# Altium PCB FMC_ADC_250M_16B_4ch.PcbDoc (part 3 of 8)
Units mm, origin at the board's own origin, x right, y up, seen from the top; angles counter-clockwise.
Board outline 76.75 x 69 mm, 8 copper layers (Top Layer, GND(SMAGND), L3, GND, L5, GND (Plane2), Power, Bottom Layer), stack 2.323 mm thick; 401 components, 423 nets, 2219 pads, 1334 vias.
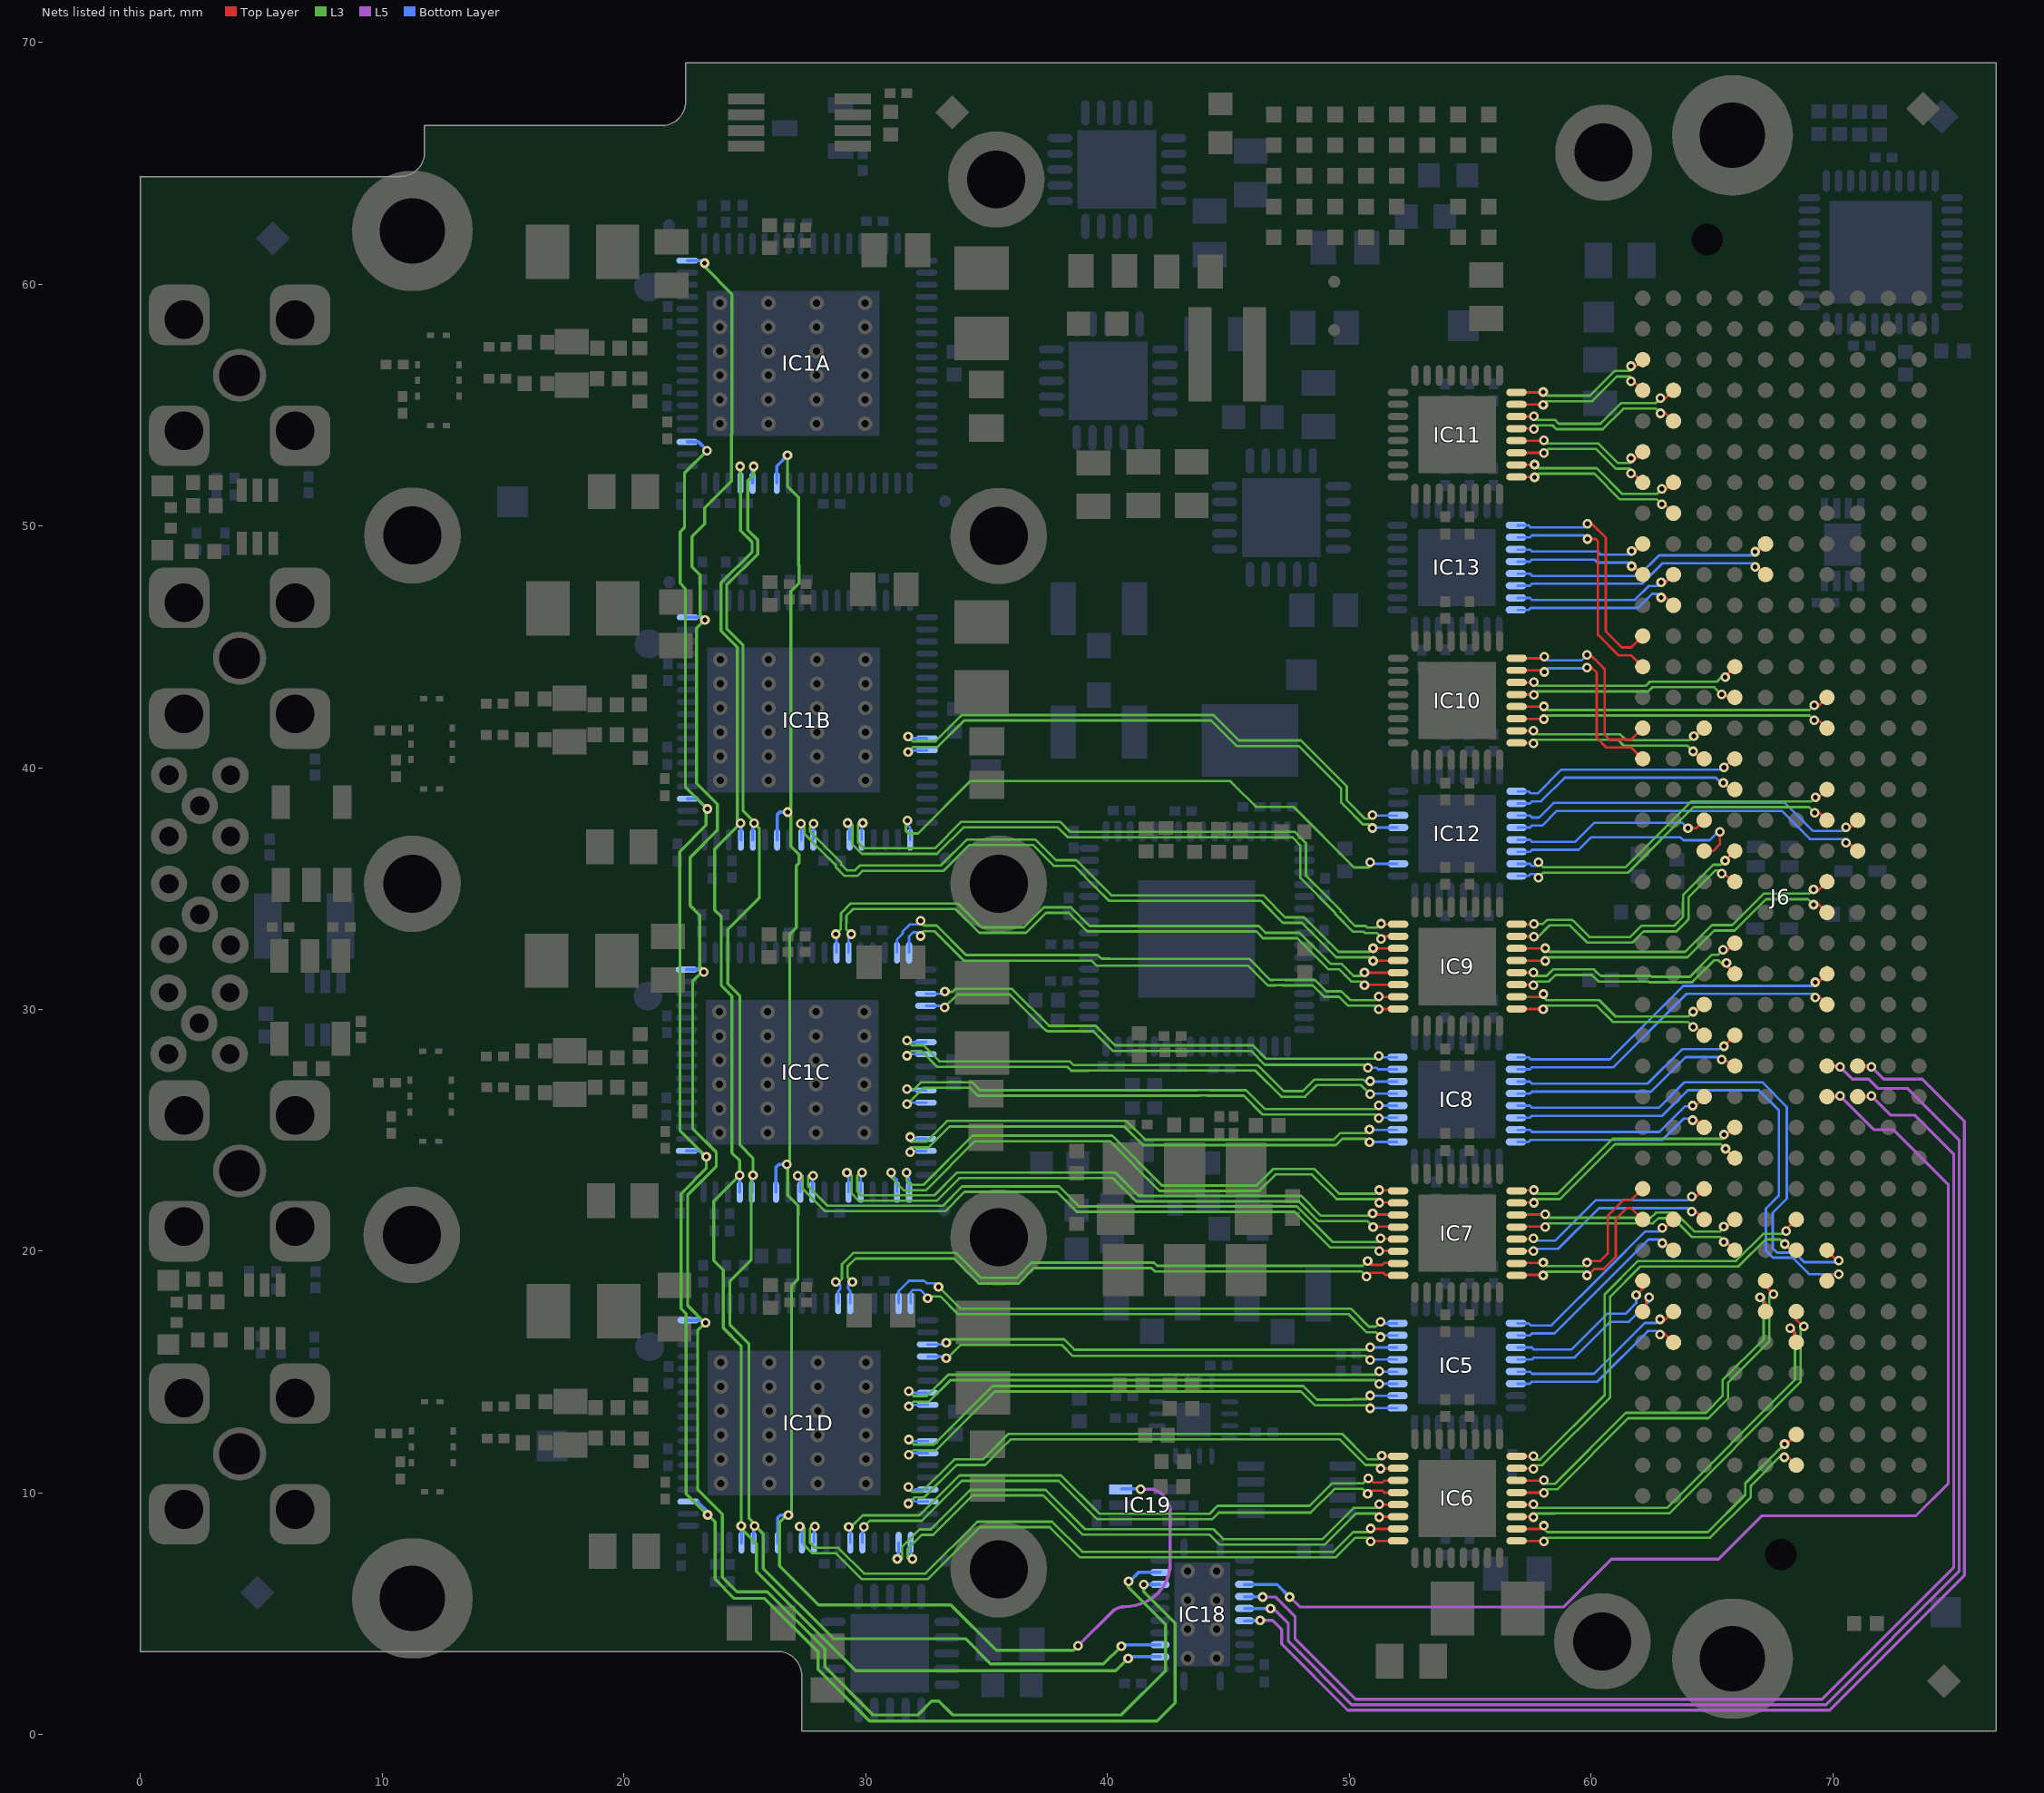
[diagram p9: the nets of this part, all layers, seen from the top]

## Via types
v1: diameter 0.4, hole 0.2, Top Layer to Bottom Layer, tented both sides, 961 vias
v2: diameter 0.5, hole 0.2, Top Layer to Bottom Layer, tented both sides, 314 vias
v3: diameter 0.4, hole 0.2, Top Layer to Bottom Layer, 33 vias
v4: diameter 0.5, hole 0.25, Top Layer to Bottom Layer, tented both sides, 19 vias
v5: diameter 0.6, hole 0.3, Top Layer to Bottom Layer, tented both sides, 7 vias

## Nets (pads, with @x,y where several pads share a name; then routed paths per layer and width w, separated by ;. In a path a pad name is that pad's centre, name@x,y a point inside that pad or via, vN(x,y) a via of type N, cw(c..) or ccw(c..) an arc to the next point about the centre after c; other vN are vias at no path point) (continued)
ADC_BUF_DATA0.D0_N: IC6.26 J6.e3 | length 13.8
  Top Layer w0.102: IC6.26@56.971,8.521 58.04,8.521 58.054,8.534 v1(58.054,8.652) ; v1@68.093,11.971 68.093,12.026 J6.e3@68.491,12.425
  L3 w0.102: v1(58.054,8.652) 58.054,8.534 58.203,8.385 64.836,8.385 66.385,9.933 66.385,10.402 67.843,11.86 67.896,11.86 68.006,11.971 v1@68.093,11.971
  other v1: 68.006,12.025
ADC_BUF_DATA0.D0_P: IC6.25 J6.e2 | length 13.5
  Top Layer w0.102: IC6.25@56.971,8.021 58.04,8.021 v1(58.054,8.007) ; v1@68.067,11.438 68.067,11.449 68.133,11.514 J6.e2@68.491,11.155
  L3 w0.102: v1(58.054,8.007) 58.203,8.156 64.931,8.156 66.613,9.839 66.613,10.308 67.896,11.59 67.915,11.59 v1@68.067,11.438
  other v1: 67.999,11.482
ADC_BUF_DATA0.D2_N: IC6.29 J6.f8 | length 16.2
  Top Layer w0.102: IC6.29@56.971,10.021 58.04,10.021 v1(58.054,10.007) ; J6.f8@67.221,18.775 67.221,18.56 v1(67.553,18.228)
  L5 w0.102: v1@67.477,18.152 v1(67.553,18.228)
  L3 w0.102: v1(58.054,10.007) 58.203,10.156 58.606,10.156 61.542,13.093 64.85,13.093 64.879,13.122 65.674,13.917 65.674,14.57 67.375,16.272 67.375,18.101 67.426,18.101 v1(67.553,18.228)
ADC_BUF_DATA0.D2_P: IC6.30 J6.f7 | length 15.7
  Top Layer w0.102: IC6.30@56.971,10.521 58.04,10.521 v1(58.054,10.534) ; v1(66.994,18.101) 67.221,17.874 J6.f7@67.221,17.505
  L3 w0.102: v1(58.054,10.534) 58.203,10.385 58.511,10.385 61.448,13.322 64.755,13.322 65.445,14.011 65.445,14.665 67.147,16.367 67.147,18.101 v1(66.994,18.101)
ADC_BUF_DATA0.D4_N: IC6.27 J6.e7 | length 17.1
  Top Layer w0.102: IC6.27@56.971,9.021 57.608,9.021 v1(57.622,9.007) ; J6.e7@68.491,17.505 68.491,17.16 68.753,16.899 v1(68.804,16.899)
  L3 w0.102: v1(57.622,9.007) 57.771,9.156 58.504,9.156 58.508,9.16 63.235,9.16 68.671,14.596 68.671,16.765 v1(68.804,16.899)
ADC_BUF_DATA0.D4_P: IC6.28 J6.e6 | length 16.7
  Top Layer w0.102: IC6.28@56.971,9.521 57.608,9.521 v1(57.622,9.534) ; v1(68.245,16.822) 68.321,16.822 68.401,16.743 68.401,16.326 J6.e6@68.491,16.235
  L3 w0.102: v1(57.622,9.534) 57.771,9.385 58.409,9.385 58.413,9.389 63.141,9.389 68.442,14.69 68.442,16.625 v1(68.245,16.822)
ADC_BUF_DATA0.D6_N: IC6.32 J6.e10 | length 18.2
  Top Layer w0.102: IC6.32@56.971,11.521 57.608,11.521 v1(57.622,11.534) ; v1(68.067,20.836) 68.067,20.891 J6.e10@68.491,21.315
  L3 w0.102: v1(57.622,11.534) 57.771,11.385 57.901,11.385 60.568,14.052 60.568,18.221 61.947,19.599 66.004,19.599 67.121,20.717 67.949,20.717 v1(68.067,20.836)
ADC_BUF_DATA0.D6_P: IC6.31 J6.e9 | length 18.1
  Top Layer w0.102: IC6.31@56.971,11.021 57.608,11.021 v1(57.622,11.007) ; v1(68.017,20.302) 68.274,20.045 J6.e9@68.491,20.045
  L3 w0.102: v1(57.622,11.007) 57.771,11.156 57.996,11.156 60.797,13.957 60.797,18.126 62.041,19.371 66.099,19.371 67.216,20.488 67.83,20.488 v1(68.017,20.302)
ADC_BUF_DATA0.D8_N: IC5.29 J6.j7 | length 7.6
  Top Layer w0.102: v1(62.854,17.184) 62.929,17.11 63.016,17.11 J6.j7@63.411,17.505
  Bottom Layer w0.102: IC5.29@56.971,15.021 57.475,15.021 57.56,14.936 60.126,14.936 62.225,17.035 62.705,17.035 v1(62.854,17.184)
ADC_BUF_DATA0.D8_P: IC5.30 J6.j6 | length 7.6
  Top Layer w0.102: v1(62.854,16.556) 62.926,16.627 63.019,16.627 J6.j6@63.411,16.235
  Bottom Layer w0.102: IC5.30@56.971,14.521 57.475,14.521 57.56,14.605 60.262,14.605 62.362,16.705 62.705,16.705 v1(62.854,16.556)
ADC_BUF_DATA0.D10_N: IC5.27 J6.k8 | length 6.8
  Top Layer w0.102: v1(61.87,18.194) 61.895,18.194 62.141,18.44 J6.k8@62.141,18.775
  Bottom Layer w0.102: IC5.27@56.971,16.021 57.556,16.021 57.641,15.936 59.19,15.936 60.67,17.415 61.432,17.415 61.87,17.853 v1(61.87,18.194)
ADC_BUF_DATA0.D10_P: IC5.28 J6.k7 | length 7.3
  Top Layer w0.102: J6.k7@62.141,17.505 62.273,17.637 62.273,18.038 62.327,18.092 v1(62.403,18.092)
  Bottom Layer w0.102: IC5.28@56.971,15.521 57.556,15.521 57.641,15.605 59.327,15.605 60.807,17.085 61.569,17.085 62.403,17.919 v1(62.403,18.092)
ADC_BUF_DATA0.D12_N: IC5.25 J6.j10 | length 8.3
  Top Layer w0.102: v1(62.956,20.968) 63.004,20.92 63.016,20.92 J6.j10@63.411,21.315
  Bottom Layer w0.102: IC5.25@56.971,17.021 57.424,17.021 57.509,16.936 58.362,16.936 60.644,19.218 62.245,20.819 62.807,20.819 v1(62.956,20.968)
ADC_BUF_DATA0.D12_P: IC5.26 J6.j9 | length 8.4
  Top Layer w0.102: v1(62.956,20.339) 62.956,20.374 63.019,20.437 J6.j9@63.411,20.045
  Bottom Layer w0.102: IC5.26@56.971,16.521 57.475,16.521 57.56,16.605 58.498,16.605 62.381,20.488 62.807,20.488 v1(62.956,20.339)
ADC_BUF_DATA0.D14_N: IC7.26 J6.k11 | length 7.3
  Top Layer w0.102: IC7.26@56.971,19.521 58.015,19.521 v1(58.028,19.534) ; v1@59.984,19.599 60.39,19.599 60.695,19.904 60.695,21.464 61.346,22.115 61.672,22.115 J6.k11@62.141,22.585
  L3 w0.102: v1(58.028,19.534) 58.177,19.385 59.682,19.385 v1(59.832,19.534)
ADC_BUF_DATA0.D14_P: IC7.25 J6.k10 | length 7.5
  Top Layer w0.102: IC7.25@56.971,19.021 58.015,19.021 v1(58.028,19.007) ; v1@59.882,19.015 60.136,19.269 60.527,19.269 61.025,19.767 61.025,21.328 61.483,21.785 61.672,21.785 J6.k10@62.141,21.315
  L3 w0.102: v1(58.028,19.007) 58.177,19.156 59.682,19.156 v1(59.832,19.007)
ADC_BUF_DATA1.CLKOUT_N: IC8.29 J6.d9 | length 21.7
  Top Layer w0.102: J6.d9@69.761,20.045 70.176,19.631 v1@70.176,19.616
  Bottom Layer w0.102: IC8.29@56.971,26.021 57.475,26.021 57.56,25.936 62.815,25.936 63.871,26.991 67.08,26.991 68.103,25.968 68.103,22.178 67.517,21.592 67.517,20.121 67.697,19.941 68.431,19.941 68.823,19.549 70.184,19.549 v1(70.252,19.616)
ADC_BUF_DATA1.CLKOUT_P: IC8.30 J6.d8 | length 21.7
  Top Layer w0.102: J6.d8@69.842,18.775 J6.d8@69.761,18.775 70.044,19.058 v1(70.252,19.058)
  Bottom Layer w0.102: IC8.30@56.971,25.521 57.475,25.521 57.56,25.605 62.952,25.605 64.007,26.661 66.944,26.661 67.773,25.831 67.773,22.305 67.237,21.769 67.237,20.029 67.529,19.737 68.339,19.737 69.019,19.058 v1(70.252,19.058)
ADC_BUF_DATA1.D0_N: IC7.28 J6.h11 | length 8.7
  Top Layer w0.102: IC7.28@56.971,20.521 57.608,20.521 v1(57.622,20.534) ; v1(64.175,22.264) 64.25,22.19 64.286,22.19 J6.h11@64.681,22.585
  Bottom Layer w0.102: v1@57.673,20.539 57.774,20.438 58.519,20.438 60.196,22.115 64.026,22.115 v1(64.175,22.264)
ADC_BUF_DATA1.D0_P: IC7.27 J6.h10 | length 8.7
  Top Layer w0.102: IC7.27@56.971,20.021 57.608,20.021 v1(57.622,20.007) ; v1(64.175,21.636) 64.247,21.707 64.289,21.707 J6.h10@64.681,21.315
  Bottom Layer w0.102: v1@57.596,20.107 58.656,20.107 60.333,21.785 64.026,21.785 v1(64.175,21.636)
ADC_BUF_DATA1.D2_N: IC7.30 J6.g10 | length 9.8
  Top Layer w0.102: IC7.30@56.971,21.521 58.091,21.521 v1(58.104,21.534) ; v1(65.496,21.019) 65.496,20.98 65.556,20.92 J6.g10@65.951,21.315
  L3 w0.102: v1(58.104,21.534) 58.254,21.385 62.481,21.385 62.676,21.581 ; 62.694,21.6 63.496,21.6 64.277,20.819 65.343,20.819 65.496,20.971 v1(65.496,21.019)
ADC_BUF_DATA1.D2_P: IC7.29 J6.g9 | length 9.8
  Top Layer w0.102: IC7.29@56.971,21.021 58.091,21.021 v1(58.104,21.007) ; v1(65.496,20.39) 65.543,20.437 65.559,20.437 J6.g9@65.951,20.045
  L3 w0.102: v1(58.104,21.007) 58.254,21.156 62.574,21.156 62.789,21.371 63.401,21.371 64.182,20.59 65.343,20.59 65.496,20.438 v1(65.496,20.39)
ADC_BUF_DATA1.D4_N: IC7.32 J6.g13 | length 10.2
  Top Layer w0.102: IC7.32@56.971,22.521 57.634,22.521 v1(57.647,22.534) ; v1@65.609,24.804 65.931,25.125 J6.g13@65.951,25.125
  L3 w0.102: v1(57.647,22.534) 57.796,22.385 58.629,22.385 60.898,24.654 65.46,24.654 v1@65.609,24.804
  other v1: 65.506,24.825
ADC_BUF_DATA1.D4_P: IC7.31 J6.g12 | length 10.2
  Top Layer w0.102: IC7.31@56.971,22.021 57.634,22.021 v1(57.647,22.007) ; v1(65.567,24.239) J6.g12@65.951,23.855
  L3 w0.102: v1(57.647,22.007) 57.796,22.156 58.724,22.156 60.993,24.425 65.381,24.425 v1(65.567,24.239)
ADC_BUF_DATA1.D6_N: IC8.31 J6.h14 | length 8.4
  Top Layer w0.102: v1@64.308,25.992 64.681,26.365 J6.h14@64.681,26.395
  Bottom Layer w0.102: IC8.31@56.971,25.021 57.475,25.021 57.56,24.936 62.831,24.936 63.887,25.992 v1@64.308,25.992
  other v1: 64.206,26.025
ADC_BUF_DATA1.D6_P: IC8.32 J6.h13 | length 8.3
  Top Layer w0.102: v1@64.308,25.458 64.348,25.458 J6.h13@64.681,25.125
  Bottom Layer w0.102: IC8.32@56.971,24.521 57.424,24.521 57.509,24.605 62.968,24.605 63.85,25.487 64.279,25.487 v1@64.308,25.458
  other v1: 64.206,25.425
ADC_BUF_DATA1.D8_N: IC8.27 J6.g16 | length 9.6
  Top Layer w0.102: v1(65.502,28.481) 65.502,28.486 J6.g16@65.951,28.935
  Bottom Layer w0.102: IC8.27@56.971,27.021 57.475,27.021 57.56,26.936 62.352,26.936 63.778,28.362 65.318,28.362
ADC_BUF_DATA1.D8_P: IC8.28 J6.g15 | length 9.5
  Top Layer w0.102: v1@65.527,27.948 65.81,27.665 J6.g15@65.951,27.665
  Bottom Layer w0.102: IC8.28@56.971,26.521 57.475,26.521 57.56,26.605 62.489,26.605 63.915,28.032 v1@65.318,28.032
  other v1: 65.406,27.925
ADC_BUF_DATA1.D10_N: IC8.25 J6.d18 | length 14.3
  Top Layer w0.102: v1(69.28,31.128) 69.328,31.08 69.366,31.08 J6.d18@69.761,31.475
  Bottom Layer w0.102: IC8.25@56.971,28.021 57.424,28.021 57.509,27.936 60.776,27.936 63.819,30.979 69.131,30.979 v1(69.28,31.128)
ADC_BUF_DATA1.D10_P: IC8.26 J6.d17 | length 14.4
  Top Layer w0.102: v1(69.28,30.499) 69.28,30.508 69.369,30.597 J6.d17@69.761,30.205
  Bottom Layer w0.102: IC8.26@56.971,27.521 57.475,27.521 57.56,27.605 60.913,27.605 63.956,30.648 69.131,30.648 v1(69.28,30.499)
ADC_BUF_DATA1.D12_N: IC9.26 J6.h17 | length 8.6
  Top Layer w0.102: IC9.26@56.971,30.521 58.015,30.521 58.032,30.537 v1(58.032,30.636) ; v1(64.226,29.909) 64.226,29.87 64.286,29.81 J6.h17@64.681,30.205
  L3 w0.102: v1(58.032,30.636) 58.032,30.537 58.028,30.534 58.177,30.385 60.342,30.385 61.019,29.709 64.026,29.709 v1(64.226,29.909)
ADC_BUF_DATA1.D12_P: IC9.25 J6.h16 | length 8.3
  Top Layer w0.102: IC9.25@56.971,30.021 58.015,30.021 v1(58.028,30.007) ; v1(64.226,29.28) 64.273,29.327 64.289,29.327 J6.h16@64.681,28.935
  L3 w0.102: v1(58.028,30.007) 58.177,30.156 60.248,30.156 60.924,29.48 64.026,29.48 v1(64.226,29.28)
ADC_BUF_DATA1.D14_N: IC9.28 J6.g19 | length 9.7
  Top Layer w0.102: IC9.28@56.971,31.521 57.608,31.521 v1(57.622,31.534) ; v1(65.47,32.465) 65.47,32.436 65.502,32.404 65.611,32.404 J6.g19@65.951,32.745
  L3 w0.102: 57.771,31.385 58.166,31.385 58.373,31.591 58.44,31.658 60.133,31.658 60.359,31.432 60.406,31.385 62.473,31.385 62.474,31.387 62.507,31.354 64.095,31.354 65.006,32.265 65.27,32.265 v1(65.47,32.465)
ADC_BUF_DATA1.D14_P: IC9.27 J6.g18 | length 10
  Top Layer w0.102: IC9.27@56.971,31.021 57.608,31.021 v1(57.622,31.007) ; v1@65.47,31.836 v1@65.501,31.867 ; v1(65.606,31.925) 65.559,31.925 v1@65.501,31.867 ; J6.g18@65.951,31.475 65.559,31.867 v1@65.501,31.867
  L3 w0.102: 57.771,31.156 58.261,31.156 58.534,31.43 60.038,31.43 60.312,31.156 62.381,31.156 62.413,31.125 64.19,31.125 64.221,31.156 65.101,32.036 65.27,32.036 65.47,31.836 65.559,31.925 v1(65.606,31.925)
ADC_BUF_DATA2.CLKOUT_N: IC12.27 J6.c23 | length 15.2
  Top Layer w0.102: v1(70.55,37.529) 70.55,37.516 70.636,37.43 J6.c23@71.031,37.825
  Bottom Layer w0.102: IC12.27@56.971,38.021 57.475,38.021 57.56,37.936 57.85,37.936 58.457,38.543 68.025,38.543 68.122,38.446 69.189,37.379 70.525,37.379 70.55,37.405 v1(70.55,37.529)
ADC_BUF_DATA2.CLKOUT_P: IC12.28 J6.c22 | length 15.1
  Top Layer w0.102: v1(70.55,36.9) 70.598,36.947 70.639,36.947 J6.c22@71.031,36.555
  Bottom Layer w0.102: IC12.28@56.971,37.521 57.475,37.521 57.56,37.605 57.987,37.605 58.594,38.213 67.888,38.213 69.052,37.049 70.525,37.049 70.55,37.024 v1(70.55,36.9)
ADC_BUF_DATA2.D0_N: IC9.30 J6.d21 | length 13.9
  Top Layer w0.102: IC9.30@56.971,32.521 58.091,32.521 v1(58.104,32.534) ; v1(69.21,34.963) 69.309,34.864 69.341,34.864 J6.d21@69.761,35.285
  L3 w0.102: 58.254,32.385 63.898,32.385 65.006,33.493 65.851,33.493 67.147,34.789 69.036,34.789 v1(69.21,34.963)
ADC_BUF_DATA2.D0_P: IC9.29 J6.d20 | length 13.9
  Top Layer w0.102: IC9.29@56.971,32.021 58.091,32.021 v1(58.104,32.007) ; v1(69.21,34.336) 69.307,34.433 69.344,34.433 J6.d20@69.761,34.015
  L3 w0.102: 58.254,32.156 63.993,32.156 65.101,33.265 65.946,33.265 67.242,34.56 68.987,34.56 v1(69.21,34.336)
ADC_BUF_DATA2.D2_N: IC9.32 J6.g22 | length 11.4
  Top Layer w0.102: IC9.32@56.971,33.521 57.634,33.521 v1(57.647,33.534) ; v1(65.548,36.152) J6.g22@65.951,36.555
  L3 w0.102: v1(57.647,33.534) 58.015,33.534 58.119,33.637 58.186,33.704 59.233,33.704 59.3,33.637 59.94,32.996 61.624,32.996 62.084,33.457 63.438,33.457 63.806,33.825 63.806,34.442 63.81,34.446 63.81,34.728 65.064,35.982 65.379,35.982 v1(65.548,36.152)
ADC_BUF_DATA2.D2_P: IC9.31 J6.g21 | length 11.4
  Top Layer w0.102: IC9.31@56.971,33.021 57.634,33.021 v1(57.647,33.007) ; v1@65.553,35.593 65.861,35.285 J6.g21@65.951,35.285
  L3 w0.102: v1(57.647,33.007) 57.812,33.007 58.28,33.476 59.138,33.476 59.846,32.768 61.718,32.768 62.179,33.228 63.533,33.228 63.968,33.663 64.035,33.73 64.035,34.348 64.038,34.351 64.038,34.634 65.159,35.754 v1@65.401,35.754 ; v1@65.397,35.749 v1@65.553,35.593
  other v1: 65.406,35.625
ADC_BUF_DATA2.D4_N: IC12.31 J6.d24 | length 14.2
  Top Layer w0.102: v1@69.384,38.717 J6.d24@69.761,39.095
  L3 w0.102: v1(57.825,36.085) 58.025,35.885 61.436,35.885 64.15,38.599 69.117,38.599 v1(69.287,38.768)
  Bottom Layer w0.102: IC12.31@56.971,36.021 57.475,36.021 57.56,35.936 57.698,35.936 57.825,36.063 v1(57.825,36.085)
ADC_BUF_DATA2.D4_P: IC12.32 J6.d23 | length 14.3
  Top Layer w0.102: v1(69.261,38.133) 69.453,38.133 J6.d23@69.761,37.825
  L3 w0.102: v1(57.825,35.456) 58.025,35.656 61.531,35.656 64.244,38.37 69.024,38.37 v1(69.261,38.133)
  Bottom Layer w0.102: IC12.32@56.971,35.521 57.424,35.521 57.509,35.605 57.698,35.605 57.825,35.478 v1(57.825,35.456)
ADC_BUF_DATA2.D6_N: IC12.29 J6.h23 | length 8.3
  Top Layer w0.102: v1(64.011,37.492) 64.348,37.492 J6.h23@64.681,37.825 J6.h23@64.681,37.82
  Bottom Layer w0.102: IC12.29@56.971,37.021 57.475,37.021 57.56,36.936 59.35,36.936 60.139,37.725 63.767,37.725 v1@64.011,37.481
ADC_BUF_DATA2.D6_P: IC12.30 J6.h22 | length 10.2
  Top Layer w0.102: J6.h22@64.515,36.555 J6.h22@64.681,36.555 65.056,36.555 65.332,36.832 v1(65.332,37.34)
  Bottom Layer w0.102: IC12.30@56.971,36.521 57.475,36.521 57.56,36.605 59.487,36.605 60.007,37.125 63.7,37.125 63.825,37 64.913,37 65.253,37.34 v1(65.332,37.34)
ADC_BUF_DATA2.D8_N: IC12.25 J6.g25 | length 9.6
  Top Layer w0.102: v1(65.502,40.013) 65.854,40.365 J6.g25@65.951,40.365
  Bottom Layer w0.102: IC12.25@56.971,39.021 57.424,39.021 57.509,38.936 57.8,38.936 58.783,39.919 65.409,39.919 v1(65.502,40.013)
ADC_BUF_DATA2.D8_P: IC12.26 J6.g24 | length 9.6
  Top Layer w0.102: v1(65.477,39.378) 65.759,39.095 J6.g24@65.951,39.095
  Bottom Layer w0.102: IC12.26@56.971,38.521 57.475,38.521 57.56,38.605 57.936,38.605 58.92,39.589 65.166,39.589 65.377,39.378 v1(65.477,39.378)
ADC_BUF_DATA2.D10_N: IC10.26 J6.h26 | length 8.2
  Top Layer w0.102: IC10.26@56.971,41.521 57.608,41.521 v1(57.622,41.534) ; v1(64.257,41.308) 64.354,41.308 J6.h26@64.681,41.635 J6.h26@64.681,41.57
  L3 w0.102: v1(57.622,41.534) 57.771,41.385 61.204,41.385 61.45,41.139 64.088,41.139 v1(64.257,41.308)
ADC_BUF_DATA2.D10_P: IC10.25 J6.h25 | length 8.1
  Top Layer w0.102: IC10.25@56.971,41.021 57.608,41.021 v1(57.622,41.007) ; v1(64.232,40.673) 64.54,40.365 J6.h25@64.681,40.365
  L3 w0.102: v1(57.622,41.007) 57.771,41.156 61.109,41.156 61.356,40.91 63.995,40.91 v1(64.232,40.673)
ADC_BUF_DATA2.D12_N: IC10.30 J6.g28 | length 9.3
  Top Layer w0.102: IC10.30@56.971,43.521 57.634,43.521 v1(57.647,43.534) ; v1(65.553,43.746) 65.553,43.776 J6.g28@65.951,44.175 J6.g28@65.931,44.175
  L3 w0.102: v1(57.647,43.534) 57.796,43.385 62.273,43.385 62.445,43.557 65.217,43.557 v1@65.406,43.746
ADC_BUF_DATA2.D12_P: IC10.29 J6.g27 | length 9.2
  Top Layer w0.102: IC10.29@56.971,43.021 57.634,43.021 v1(57.647,43.007) ; v1@65.502,43.086 65.683,42.905 J6.g27@65.951,42.905
  L3 w0.102: v1(57.647,43.007) 57.796,43.156 62.367,43.156 62.539,43.328 65.103,43.328 v1(65.406,43.025)
ADC_BUF_DATA2.D14_N: IC10.28 J6.d27 | length 13.2
  Top Layer w0.102: IC10.28@56.971,42.521 58.04,42.521 v1(58.054,42.534) ; v1(69.236,42.583) 69.335,42.484 69.341,42.484 J6.d27@69.761,42.905
  L3 w0.102: v1(58.054,42.534) 58.203,42.385 69.037,42.385 v1(69.236,42.583)
ADC_BUF_DATA2.D14_P: IC10.27 J6.d26 | length 13.2
  Top Layer w0.102: IC10.27@56.971,42.021 58.04,42.021 v1(58.054,42.007) ; v1(69.236,41.956) 69.332,42.053 69.344,42.053 J6.d26@69.761,41.635
  L3 w0.102: v1(58.054,42.007) 58.203,42.156 69.036,42.156 v1(69.236,41.956)
ADC_BUF_DATA3.CLKOUT_N: IC13.25 J6.k29 | length 9.8
  Top Layer w0.102: v1(59.857,50.085) 60.039,50.085 60.619,49.505 60.619,45.635 61.279,44.975 61.672,44.975 J6.k29@62.141,45.445
  Bottom Layer w0.102: IC13.25@56.971,50.021 57.424,50.021 57.509,49.936 59.708,49.936 v1(59.857,50.085)
ADC_BUF_DATA3.CLKOUT_P: IC13.26 J6.k28 | length 9.7
  Top Layer w0.102: v1(59.857,49.456) 60.201,49.456 60.289,49.368 60.289,45.499 61.143,44.645 61.672,44.645 J6.k28@62.141,44.175
  Bottom Layer w0.102: IC13.26@56.971,49.521 57.475,49.521 57.56,49.605 59.708,49.605 v1(59.857,49.456)
ADC_BUF_DATA3.D0_N: IC10.32 J6.k26 | length 8.6
  Top Layer w0.102: IC10.32@56.971,44.521 58.015,44.521 v1(58.079,44.585) ; v1(59.832,44.663) 59.983,44.663 60.345,44.301 60.345,44.293 60.568,44.069 60.568,41.368 60.771,41.165 61.672,41.165 J6.k26@62.141,41.635
  Bottom Layer w0.102: v1(58.079,44.585) 58.228,44.436 59.604,44.436 v1(59.832,44.663)
ADC_BUF_DATA3.D0_P: IC10.31 J6.k25 | length 8.4
  Top Layer w0.102: IC10.31@56.971,44.021 58.015,44.021 v1(58.079,43.956) ; v1(59.832,44.136) 60.035,44.136 60.238,43.933 60.238,41.231 60.635,40.835 61.672,40.835 J6.k25@62.141,40.365
  Bottom Layer w0.102: v1(58.079,43.956) 58.228,44.105 59.801,44.105 v1(59.832,44.136)
ADC_BUF_DATA3.D2_N: IC13.31 J6.j31 | length 7
  Top Layer w0.102: v1(62.905,47.664) 62.98,47.59 63.016,47.59 J6.j31@63.411,47.985
  Bottom Layer w0.102: IC13.31@56.971,47.021 57.475,47.021 57.56,46.936 61.813,46.936 62.392,47.515 62.756,47.515 v1(62.905,47.664)
ADC_BUF_DATA3.D2_P: IC13.32 J6.j30 | length 7
  Top Layer w0.102: v1(62.905,47.036) 62.977,47.107 63.019,47.107 J6.j30@63.411,46.715
  Bottom Layer w0.102: IC13.32@56.971,46.521 57.424,46.521 57.509,46.605 61.95,46.605 62.529,47.185 62.756,47.185 v1(62.905,47.036)
ADC_BUF_DATA3.D4_N: IC13.29 J6.f32 | length 11
  Top Layer w0.102: v1(66.791,48.933) 66.791,48.895 66.826,48.86 J6.f32@67.221,49.255
  Bottom Layer w0.102: IC13.29@56.971,48.021 57.475,48.021 57.569,47.927 61.853,47.927 61.862,47.936 61.971,47.936 62.819,48.784 66.766,48.784 66.791,48.809 v1(66.791,48.933)
ADC_BUF_DATA3.D4_P: IC13.30 J6.f31 | length 11
  Top Layer w0.102: v1(66.791,48.305) 66.791,48.339 66.829,48.377 J6.f31@67.221,47.985
  Bottom Layer w0.102: IC13.30@56.971,47.521 57.475,47.521 57.56,47.605 62.107,47.605 62.956,48.454 66.766,48.454 66.791,48.428 v1(66.791,48.305)
ADC_BUF_DATA3.D6_N: IC13.27 J6.k32 | length 5.6
  Top Layer w0.102: v1(61.686,48.959) 61.686,48.92 61.746,48.86 J6.k32@62.141,49.255
  Bottom Layer w0.102: IC13.27@56.971,49.021 57.475,49.021 57.56,48.936 60.274,48.936 60.4,48.809 61.66,48.809 61.686,48.835 v1(61.686,48.959)